# Altium PCB PCB2.PcbDoc (part 2 of 3)
Units mil, origin at the board's own origin, x right, y up, seen from the top; angles counter-clockwise.
Board outline 15748.03 x 10775.59 mil, 4 copper layers (Top Layer, Y1, S2, Bottom Layer), stack 33.217 mil thick; 703 components, 696 nets, 1756 pads, 488 vias.
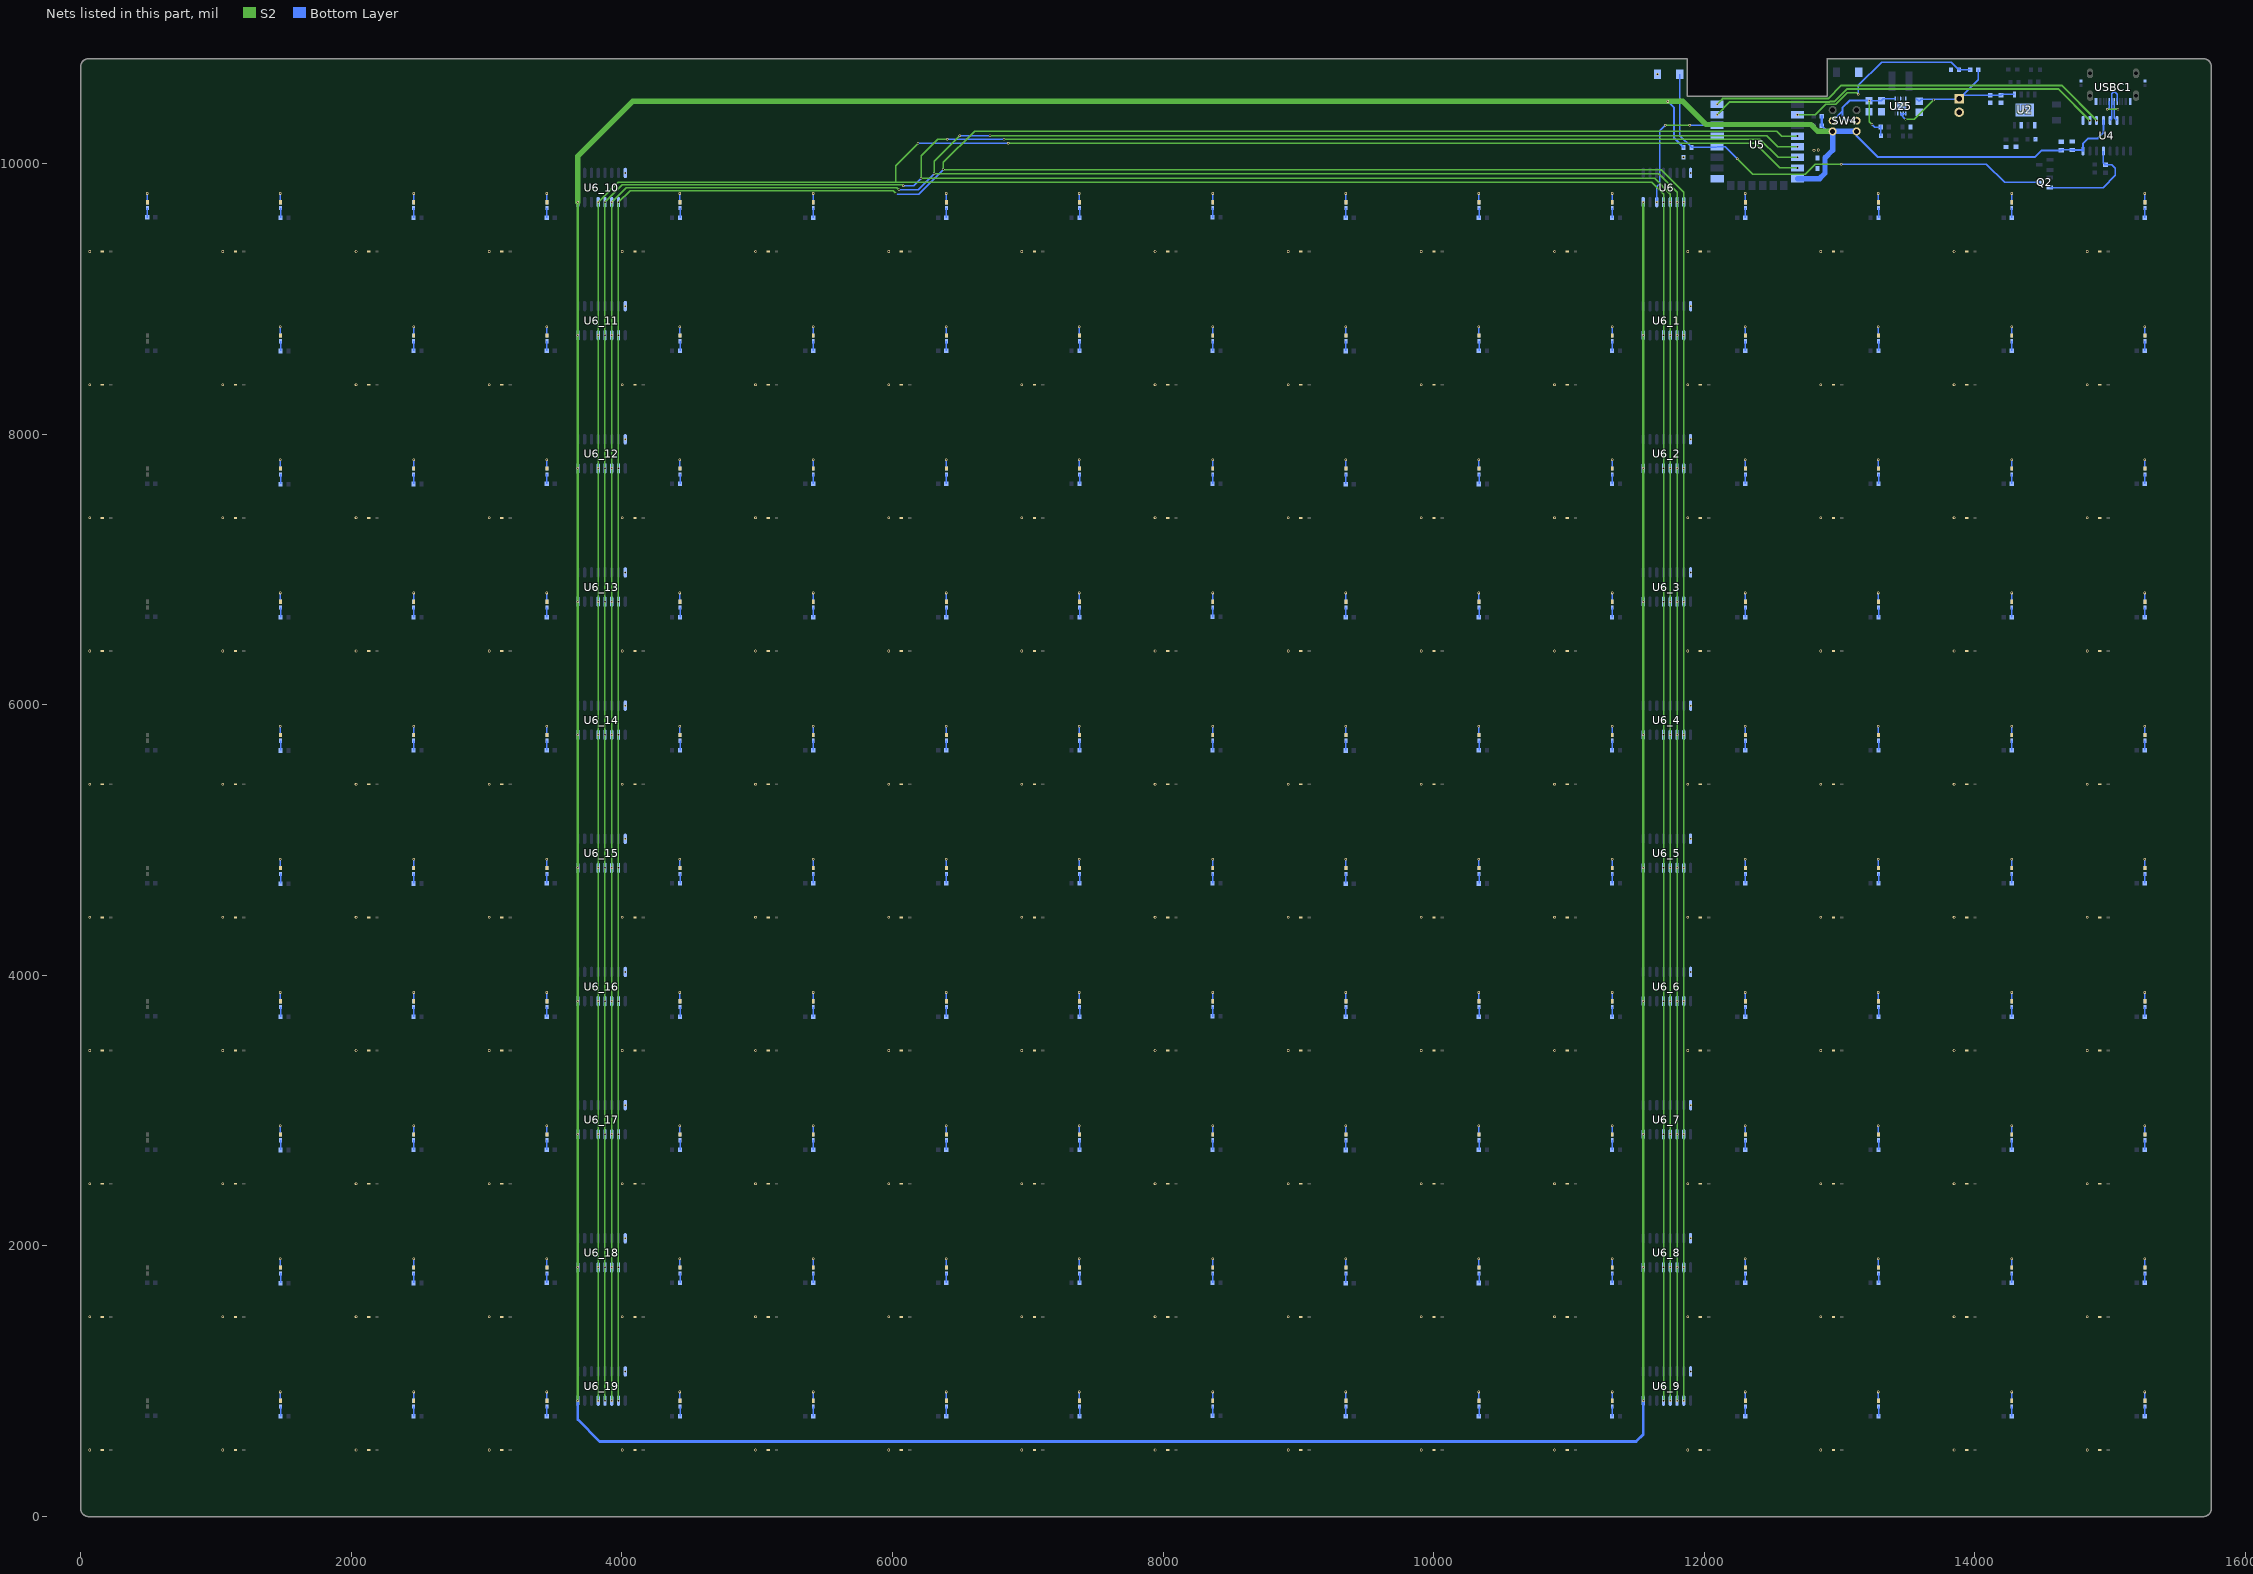
[diagram p4: the nets of this part, all layers, seen from the top]

## Footprints (in the part's own frame and the unit in brackets; to place one, negate y for a bottom-side part, rotate by r counter-clockwise, add the part's x,y. Pads: shape width x height; smd on the part's side, far side on the other; paste and mask are expansions set on the pad) (continued)
QFN10 [mil]
  oval 30.91x11.03 smd mask+4: 1(-57.41,39.4) 2(-57.41,19.7) 3(-57.41,0) 4(-57.41,-19.7) 5(-57.41,-39.4) 6(53.41,-39.4) 7(53.41,-19.7) 8(53.41,0) 9(53.41,19.7) 10(53.41,39.4)
  rect 57.1x88.6 smd mask+4: 11(-2,0)
  silkscreen extent -86,-62 60,62
R0402 [mm]
  rect 0.566x0.54 smd mask+0.051: 1(-0.433,0) 2(0.433,0)
  silkscreen extent -0.94,-0.5 0.94,0.5
R0603 [mil]
  rect 31.75x34.02 smd mask+2: 1(-29.66,0) 2(29.66,0)
  silkscreen extent -55,-26 55,26
R1206 [mil]
  rect 47.5x67 smd mask+2: 1(-58.2,0) 2(58.2,0)
  silkscreen extent -91,-43 91,43
SC-79_L1.2-W0.8-LS1.6-RD [mm]
  rect 0.63x0.36 smd: 1(-0.785,0) 2(0.785,0)
  silkscreen extent -0.9,-0.55 0.68,0.55
SOIC-16_L9.9-W3.9-P1.27-LS6.0-BL [mil]
  oval 23.7x77.6 smd mask+2: 1(-175,-107.7) 2(-125,-107.7) 3(-75,-107.7) 4(-25,-107.7) 5(25,-107.7) 6(75,-107.7) 7(125,-107.7) 8(175,-107.7) 9(175,107.7) 10(125,107.7) 11(75,107.7) 12(25,107.7) 13(-25,107.7) 14(-75,107.7) 15(-125,107.7) 16(-175,107.7)
  silkscreen extent -211,-111 198,60
SOP-16_L10.0-W3.9-P1.27-LS6.0-BL [mm]
  oval 0.56x1.745 smd mask+0.051: 1(-4.445,-2.872) 2(-3.175,-2.872) 3(-1.905,-2.872) 4(-0.635,-2.872) 5(0.635,-2.872) 6(1.905,-2.872) 7(3.175,-2.872) 8(4.445,-2.872) 9(4.445,2.872) 10(3.175,2.872) 11(1.905,2.872) 12(0.635,2.872) 13(-0.635,2.872) 14(-1.905,2.872) 15(-3.175,2.872) 16(-4.445,2.872)
  silkscreen extent -5.33,-3.02 5.08,1.77
SOT-23-3_L2.9-W1.3-P1.90-LS2.4-BR [mm]
  rect 1.25x0.7 smd mask+0.051: 1(1,-0.95) 2(1,0.95) 3(-1,0)
  silkscreen extent -0.73,-1.53 0.73,1.53
SW-TH_6P-L5.8-W5.8-P2.00-LS4.5-BL [mm]
  round 1.5 hole 0.9 mask+0.05: 1(-2,-2.25) 2(0,-2.25) 3(2,-2.25) 4(-2,2.25) 5(0,2.25) 6(2,2.25)
  silkscreen extent -2.9,-2.9 2.9,2.9
USB-C-SMD_TYPE-C-USB-17 [mil]
  oval 47.2x70.9 hole 27.6 slot 55.1 at 90 deg mask+2: 0(-170.1,-103.7) 0(170.1,-103.7)
  oval 43.3x78.7 hole 27.6 slot 63 at 90 deg mask+2: 0(-170.1,61.6) 0(170.1,61.6)
  rect 19.7x51.2 smd mask+2: A1(-126,103.7) A4(-94.5,103.7) A9(94.5,103.7) A12(126,103.7)
  rect 11x51.2 smd mask+2: A5(-49.2,103.7) A6(-9.8,103.7) A7(9.8,103.7) A8(49.2,103.7) B5(68.9,103.7) B6(29.5,103.7) B7(-29.5,103.7) B8(-68.9,103.7)
  Keep-Out Layer board cut-out: -113.8,52.4 -120.22,50.93 -125.37,46.83 -128.23,40.89 -128.23,34.31 -125.37,28.37 -120.22,24.27 -113.8,22.8 -113.8,22.8 -107.38,24.27 -102.23,28.37 -99.37,34.31 -99.37,40.89 -102.23,46.83 -107.38,50.93 -113.8,52.4 -113.8,52.4
  Keep-Out Layer board cut-out: 113.8,52.4 107.38,50.93 102.23,46.83 99.37,40.89 99.37,34.31 102.23,28.37 107.38,24.27 113.8,22.8 113.8,22.8 120.22,24.27 125.37,28.37 128.23,34.31 128.23,40.89 125.37,46.83 120.22,50.93 113.8,52.4 113.8,52.4
  silkscreen extent -170,-205 170,69
WIFIM-SMD_ESP-12F-ESP8266MOD [mil]
  rect 55.1x98.4 smd mask+2: 1(-301.2,-297.3) 2(-222.5,-297.3) 3(-143.7,-297.3) 4(-65,-297.3) 5(13.8,-297.3) 6(92.5,-297.3) 7(171.2,-297.3) 8(250,-297.3) 9(250,297.2) 10(171.2,297.3) 11(92.5,297.3) 12(13.8,297.3) 13(-65,297.2) 14(-143.7,297.3) 15(-222.5,297.3) 16(-301.2,297.3)
  rect 66.9x55.1 smd mask+2: 17(301.2,-196.8) 18(301.1,-118.2) 19(301.2,-39.5) 20(301.2,39.3) 21(301.2,118) 22(301.2,196.7)
  silkscreen extent -636,-351 309,315

## Via types
v1: diameter 19.68, hole 11.81, Top Layer to Bottom Layer, tented both sides, 335 vias
v2: diameter 17.72, hole 11.81, Top Layer to Bottom Layer, tented both sides, 153 vias

## Nets (pads, with @x,y where several pads share a name; then routed paths per layer and width w, separated by ;. In a path a pad name is that pad's centre, name@x,y a point inside that pad or via, vN(x,y) a via of type N, cw(c..) or ccw(c..) an arc to the next point about the centre after c; other vN are vias at no path point)
3V3: C1.2 C3.2 R1.2 R2.2 SW4.2 SW4.5 U25.1 | length 1038.5
  S2 w10: v2(13218.7,10464.65) 13218.7,10309.9 v2(13239.7,10288.9)
  Bottom Layer w10: v2(13218.7,10464.65) 13219,10464.35 C1.2@13309.9,10464.35 13324.75,10479.2 U25.1@13411.1,10479.2 ; v2(13239.7,10288.9) 13259.98,10268.62 13306.06,10268.62 R2.2@13306.06,10203.32 ; R1.2@13305.06,10269.62 R1.2@13305.06,10282.36
  Bottom Layer w15: SW4.5@12948.84,10315.7 13023.1,10389.96 ; SW4.2@13126,10315.7 13057.7,10315.7 13023.1,10350.3 13023.1,10389.96 ; v2(13218.7,10464.65) 13073.75,10464.65 13023.1,10414 13023.1,10389.96
BAT+: C5.2 C6.2 C9.2 H5.1 R15.1 U2.5 U25.5 U25.6 U25.7 U25.8 | length 1405.5
  S2 w10: v2(13487.3,10325) 13550.7,10325 v2(13694.8,10469.1)
  Bottom Layer w10: v2(13487.3,10325) 13450.5,10361.8 U25.8@13450.5,10368.38 U25.7@13470.2,10368.38 U25.6@13489.9,10368.38 ; C5.2@13568.65,10479.2 C5.2@13588.7,10459.15 13605.45,10475.9 13884.3,10475.9 13882.7,10474.3 H5.1@13896.9,10474.3 ; R15.1@14025.46,10691.7 14025.46,10619.46 H5.1@13884.3,10478.3 13910.46,10504.46 C6.2@14114.4,10504.46 ; C6.2@14115.1,10503.76 C9.2@14192.9,10503.76 14199.04,10509.9 U2.5@14292.7,10509.9
D+: U4.5 USBC1.A6 USBC1.B6 | length 306.9
  Bottom Layer w10: U4.5@15000,10317.59 15011.7,10329.29 USBC1.A6@15011.7,10459.2 15011.7,10516.8 15021.9,10527 15036.6,10527 15051,10512.6 USBC1.B6@15051,10459.2
D-: U4.6 USBC1.A7 USBC1.B7 | length 317.4
  S2 w10: v2(14979.5,10400.8) v2@15057.1,10400.8
  Bottom Layer w10: v2(14979.5,10400.8) 14992,10413.3 USBC1.B7@14992,10459.2 ; 15030.8,10401.4 v2(15057.7,10401.4) ; USBC1.A7@15031.3,10459.2 15031.3,10336.29 U4.6@15050,10317.59
DTR#: Q2.2 R8.1 U4.13 | length 778.7
  Bottom Layer w10: Q2.2@14554.67,9822.1 14948.6,9822.1 15039.5,9913 15039.5,9963.3 15012.24,9990.56 R8.1@14965.9,9990.56 ; U4.13@14950,10091.41 14950,10006.46 R8.1@14965.9,9990.56 ; R8.1@14954.96,9990.56 R8.1@14965.9,9990.56 ; R8.1@14965.9,9987.9 R8.1@14965.9,9990.56
ESP_AD: R15.2 R16.1 U5.2 | length 1515.2
  S2 w10: v1(12689.4,10360.1) 12821.2,10360.1 12897.4,10436.3 12971.3,10436.3 13057.4,10522.4 13126.6,10522.4 v1(13137.6,10511.4)
  Bottom Layer w10: v1(13137.6,10511.4) 13137.6,10576.1 13310.6,10749.1 13826.76,10749.1 R16.1@13882.36,10693.5 13884.16,10691.7 R15.2@13966.14,10691.7
  Bottom Layer w15: R16.1@13882.36,10693.5 R16.1@13882.36,10700.04
ESP_IO0: Q2.3 R14.2 SW1.1 U5.12 | length 3320.9
  S2 w10: v1(12244.1,10034.3) 12358.4,9920 12746,9920 12820.6,9994.6 v1(13011.6,9994.6)
  Bottom Layer w10: SW1.1@11818.49,10659.1 11818.49,10205.67 R14.2@11906.26,10117.9 12088.9,10117.9 U5.12@12094.8,10123.8 12154.6,10123.8 v1(12244.1,10034.3) ; v1(13011.6,9994.6) 14085,9994.6 14220.1,9859.5 Q2.3@14475.93,9859.5
ESP_IO4: U5.13
ESP_IO5: U5.14 U6.14 | length 975.1
  S2 w10: v2(11713,10281) 11713.3,10281.3 v2(11893.3,10281.3)
  Bottom Layer w10: v2(11649,9714.3) 11649,9827 11672,9850 11672,10240 v2(11713,10281) ; v2(11893.3,10281.3) U5.14@12094.8,10281.3
ESP_IO12: U5.6 U6.12 U6_1.12 U6_2.12 U6_3.12 U6_4.12 U6_5.12 U6_6.12 U6_7.12 U6_8.12 U6_9.12 U6_10.12 U6_11.12 U6_12.12 U6_13.12 U6_14.12 U6_15.12 U6_16.12 U6_17.12 U6_18.12 U6_19.12 | length 32579.5
  S2 w10: v2(3874.98,856.03) v2(3874.98,9714.3) 4002.68,9842 6073,9842 v2(6079,9836) ; v2(6406,10180) 6333,10180 6211,10058 v2(6211,9890) 11633,9890 11749,9774 v2(11749,9714.3) v2(11749,856.03) ; v2(6824,10180) 12411.3,10180 ; 12445,10146.3 12411.3,10180 ; v2(12689.4,10045.1) 12546.2,10045.1 12411.3,10180
  Bottom Layer w10: v2(6079,9836) 6157,9836 v2(6211,9890) v2@6211,9887 ; v2(6406,10180) v2(6824,10180)
  other v2: 3874.98,1840.28 11749,1840.28 3874.98,2824.54 11749,2824.54 3874.98,3808.79 11749,3808.79 3874.98,4793.04 11749,4793.04 3874.98,5777.29 11749,5777.29 3874.98,6761.54 11749,6761.54 3874.98,7745.8 11749,7745.8 3874.98,8730.05 11749,8730.05
ESP_IO13: U5.7 U6.13 U6_1.13 U6_2.13 U6_3.13 U6_4.13 U6_5.13 U6_6.13 U6_7.13 U6_8.13 U6_9.13 U6_10.13 U6_11.13 U6_12.13 U6_13.13 U6_14.13 U6_15.13 U6_16.13 U6_17.13 U6_18.13 U6_19.13 | length 32677
  S2 w10: v2(3824.98,856.03) v2(3824.98,9714.3) 3971.68,9861 11611,9861 11699,9773 v2(11699,9714.3) v2(11699,856.03) ; 6025,9861 6025,9984 v2(6189,10148) ; v2(6855,10148) 12377,10148 12558.6,9966.4 v2(12689.4,9966.4)
  Bottom Layer w10: v2(6189,10148) v2(6855,10148)
  other v2: 3824.98,1840.28 11699,1840.28 3824.98,2824.54 11699,2824.54 3824.98,3808.79 11699,3808.79 3824.98,4793.04 11699,4793.04 3824.98,5777.29 11699,5777.29 3824.98,6761.54 11699,6761.54 3824.98,7745.8 11699,7745.8 3824.98,8730.05 11699,8730.05
ESP_IO14: U5.5 U6.11 U6_1.11 U6_2.11 U6_3.11 U6_4.11 U6_5.11 U6_6.11 U6_7.11 U6_8.11 U6_9.11 U6_10.11 U6_11.11 U6_12.11 U6_13.11 U6_14.11 U6_15.11 U6_16.11 U6_17.11 U6_18.11 U6_19.11 | length 32442.4
  S2 w10: v2(3924.98,856.03) v2(3924.98,9714.3) 4030.68,9820 6033,9820 v2(6048,9805) ; v2(6496,10205) 6307,10016 v2(6307,9923) 11662,9923 11799,9786 v2(11799,9714.3) v2(11799,856.03) ; v2@6721,10206 12461.8,10206 ; 12487.8,10180 12461.8,10206 ; v2(12689.4,10123.8) 12544,10123.8 12461.8,10206
  Bottom Layer w10: v2(6048,9805) 6189,9805 v2(6307,9923) ; v2(6496,10205) v2(6721,10205)
  other v2: 3924.98,1840.28 11799,1840.28 3924.98,2824.54 11799,2824.54 3924.98,3808.79 11799,3808.79 3924.98,4793.04 11799,4793.04 3924.98,5777.29 11799,5777.29 3924.98,6761.54 11799,6761.54 3924.98,7745.8 11799,7745.8 3924.98,8730.05 11799,8730.05
ESP_IO16: U5.4 U6.10 U6_1.10 U6_2.10 U6_3.10 U6_4.10 U6_5.10 U6_6.10 U6_7.10 U6_8.10 U6_9.10 U6_10.10 U6_11.10 U6_12.10 U6_13.10 U6_14.10 U6_15.10 U6_16.10 U6_17.10 U6_18.10 U6_19.10 | length 32333.6
  S2 w10: v2(3974.98,856.03) v2(3974.98,9714.3) 4060.68,9800 6004,9800 6026,9778 v2(6026,9774) ; v2(11849,856.03) v2(11849,8730.05) v2(11849,9714.3) 11849,9787 11681,9955 v2(6376,9955) 6376,10008 6607,10239 12536,10239 12572.4,10202.6 v2(12689.4,10202.6)
  Bottom Layer w10: v2(6026,9774) 6195,9774 v2(6376,9955)
  other v2: 3974.98,1840.28 11849,1840.28 3974.98,2824.54 11849,2824.54 3974.98,3808.79 11849,3808.79 3974.98,4793.04 11849,4793.04 3974.98,5777.29 11849,5777.29 3974.98,6761.54 11849,6761.54 3974.98,7745.8 11849,7745.8 3974.98,8730.05
ESP_RXD: U4.2 U5.15 | length 2931.6
  S2 w15: v2(12094.8,10360.1) 12189.25,10454.55 12926.56,10454.55 12929.01,10457 12960.9,10457 13055.7,10551.8 14615.79,10551.8 v2(14850,10317.59)
ESP_TXD: U4.3 U5.16 | length 2969.7
  S2 w15: v2(12094.8,10438.8) 12135.55,10479.55 12916.2,10479.55 13013.45,10576.8 14640.79,10576.8 v2(14900,10317.59)
GND: C1.1 C3.1 C4.1 C5.1 C6.1 C7.1 C8.2 C9.1 C12.1 C13.1 C14.1 D1.1 D1_1.1 D1_2.1 D1_3.1 D1_4.1 D1_5.1 D1_6.1 D1_7.1 D1_8.1 D1_9.1 D1_10.1 D1_11.1 D1_12.1 D1_13.1 D1_14.1 D1_15.1 D2.1 D2_1.1 D2_2.1 D2_3.1 D2_4.1 D2_5.1 D2_6.1 D2_7.1 D2_8.1 D2_9.1 D2_10.1 D2_11.1 D2_12.1 D2_13.1 D2_14.1 D2_15.1 D3.1 D3_1.1 D3_2.1 D3_3.1 D3_4.1 D3_5.1 D3_6.1 D3_7.1 D3_8.1 D3_9.1 D3_10.1 D3_11.1 D3_12.1 D3_13.1 D3_14.1 D3_15.1 D4.1 D4_1.1 D4_2.1 D4_3.1 D4_4.1 D4_5.1 D4_6.1 D4_7.1 D4_8.1 D4_9.1 D4_10.1 D4_11.1 D4_12.1 D4_13.1 D4_14.1 D4_15.1 D5.1 D5_1.1 D5_2.1 D5_3.1 D5_4.1 D5_5.1 D5_6.1 D5_7.1 D5_8.1 D5_9.1 D5_10.1 D5_11.1 D5_12.1 D5_13.1 D5_14.1 D5_15.1 D6.1 D6_1.1 D6_2.1 D6_3.1 D6_4.1 D6_5.1 D6_6.1 D6_7.1 D6_8.1 D6_9.1 D6_10.1 D6_11.1 D6_12.1 D6_13.1 D6_14.1 D6_15.1 D7.1 D7_1.1 D7_2.1 D7_3.1 D7_4.1 D7_5.1 D7_6.1 D7_7.1 D7_8.1 D7_9.1 D7_10.1 D7_11.1 D7_12.1 D7_13.1 D7_14.1 D7_15.1 D8.1 D8_1.1 D8_2.1 D8_3.1 D8_4.1 D8_5.1 D8_6.1 D8_7.1 D8_8.1 D8_9.1 D8_10.1 D8_11.1 D8_12.1 D8_13.1 D8_14.1 D8_15.1 D9.1 D9_1.1 D9_2.1 D9_3.1 D9_4.1 D9_5.1 D9_6.1 D9_7.1 D9_8.1 D9_9.1 D9_10.1 D9_11.1 D9_12.1 D9_13.1 D9_14.1 D9_15.1 D10.1 D10_1.1 D10_2.1 D10_3.1 D10_4.1 D10_5.1 D10_6.1 D10_7.1 D10_8.1 D10_9.1 D10_10.1 D10_11.1 D10_12.1 D10_13.1 D10_14.1 D10_15.1 H5.2 R3.1 R7.1 R9.1 R10.2 R13.1 R16.2 SW1.2 SW2.2 U2.1 U2.3 U2.9 U4.1 U5.9 U6.8 U6_1.8 U6_2.8 U6_3.8 U6_4.8 U6_5.8 U6_6.8 U6_7.8 U6_8.8 U6_9.8 U6_10.8 U6_11.8 U6_12.8 U6_13.8 U6_14.8 U6_15.8 U6_16.8 U6_17.8 U6_18.8 U6_19.8 U25.3 U25.9 U25.11 USBC1.A1 USBC1.A12 | length 7.2
  Bottom Layer w10: R7.1@14442.7,10182.56 R7.1@14447.76,10177.5
  other v1: 66.77,490.97 1051.02,490.97 2035.28,490.97 3019.53,490.97 4003.78,490.97 4988.03,490.97 5972.28,490.97 6956.54,490.97 7940.79,490.97 8925.04,490.97 9909.29,490.97 10893.54,490.97 11877.8,490.97 12862.05,490.97 13846.3,490.97 14830.55,490.97 66.77,1475.22 1051.02,1475.22 2035.28,1475.22 3019.53,1475.22 4003.78,1475.22 4988.03,1475.22 5972.28,1475.22 6956.54,1475.22 7940.79,1475.22 8925.04,1475.22 9909.29,1475.22 10893.54,1475.22 11877.8,1475.22 12862.05,1475.22 13846.3,1475.22 14830.55,1475.22 66.77,2459.47 1051.02,2459.47 2035.28,2459.47 3019.53,2459.47 4003.78,2459.47 4988.03,2459.47 5972.28,2459.47 6956.54,2459.47 7940.79,2459.47 8925.04,2459.47 9909.29,2459.47 10893.54,2459.47 11877.8,2459.47 12862.05,2459.47 13846.3,2459.47 14830.55,2459.47 66.77,3443.72 1051.02,3443.72 2035.28,3443.72 3019.53,3443.72 4003.78,3443.72 4988.03,3443.72 5972.28,3443.72 6956.54,3443.72 7940.79,3443.72 8925.04,3443.72 9909.29,3443.72 10893.54,3443.72 11877.8,3443.72 12862.05,3443.72 13846.3,3443.72 14830.55,3443.72 66.77,4427.98 1051.02,4427.98 2035.28,4427.98 3019.53,4427.98 4003.78,4427.98 4988.03,4427.98 5972.28,4427.98 6956.54,4427.98 7940.79,4427.98 8925.04,4427.98 9909.29,4427.98 10893.54,4427.98 11877.8,4427.98 12862.05,4427.98 13846.3,4427.98 14830.55,4427.98 66.77,5412.23 1051.02,5412.23 2035.28,5412.23 3019.53,5412.23 4003.78,5412.23 4988.03,5412.23 5972.28,5412.23 6956.54,5412.23 7940.79,5412.23 8925.04,5412.23 9909.29,5412.23 10893.54,5412.23 11877.8,5412.23 12862.05,5412.23 13846.3,5412.23 14830.55,5412.23 66.77,6396.48 1051.02,6396.48 2035.28,6396.48 3019.53,6396.48 4003.78,6396.48 4988.03,6396.48 5972.28,6396.48 6956.54,6396.48 7940.79,6396.48 8925.04,6396.48 9909.29,6396.48 10893.54,6396.48 11877.8,6396.48 12862.05,6396.48 13846.3,6396.48 14830.55,6396.48 66.77,7380.73 1051.02,7380.73 2035.28,7380.73 3019.53,7380.73 4003.78,7380.73 4988.03,7380.73 5972.28,7380.73 6956.54,7380.73 7940.79,7380.73 8925.04,7380.73 9909.29,7380.73 10893.54,7380.73 11877.8,7380.73 12862.05,7380.73 13846.3,7380.73 14830.55,7380.73 66.77,8364.98 1051.02,8364.98 2035.28,8364.98 3019.53,8364.98 4003.78,8364.98 4988.03,8364.98 5972.28,8364.98 6956.54,8364.98 7940.79,8364.98 8925.04,8364.98 9909.29,8364.98 10893.54,8364.98 11877.8,8364.98 12862.05,8364.98 13846.3,8364.98 14830.55,8364.98 66.77,9349.24 1051.02,9349.24 2035.28,9349.24 3019.53,9349.24 4003.78,9349.24 4988.03,9349.24 5972.28,9349.24 6956.54,9349.24 7940.79,9349.24 8925.04,9349.24 9909.29,9349.24 10893.54,9349.24 11877.8,9349.24 12862.05,9349.24 13846.3,9349.24 14830.55,9349.24 11846.64,10046.4 12811.2,10098.7 12841.9,10099.2 14367.7,10395.4 11654.71,10659.1
  other v2: 4024.98,1071.43 11899,1071.43 4024.98,2055.68 11899,2055.68 4024.98,3039.94 11899,3039.94 4024.98,4024.19 11899,4024.19 4024.98,5008.44 11899,5008.44 4024.98,5992.69 11899,5992.69 4024.98,6976.94 11899,6976.94 4024.98,7961.2 11899,7961.2 4024.98,8945.45 11899,8945.45 4024.98,9929.7 11899,9929.7
MCU_3V3: C7.2 C8.1 C12.2 C13.2 R11.1 R12.1 R14.1 SW4.3 SW4.6 U4.4 U4.16 U5.8 U6.16 U6_1.16 U6_2.16 U6_3.16 U6_4.16 U6_5.16 U6_6.16 U6_7.16 U6_8.16 U6_9.16 U6_10.16 U6_11.16 U6_12.16 U6_13.16 U6_14.16 U6_15.16 U6_16.16 U6_17.16 U6_18.16 U6_19.16 | length 39358.8
  S2 w19.68: v2(3674.98,856.03) v2(3674.98,9714.3) ; v2(11549,856.03) v2(11549,9714.3)
  S2 w39.37: v2(3674.98,9714.3) 3674.98,10054.98 4078.6,10458.6 11843.1,10458.6 12013.4,10288.3 12787.8,10288.3 12839.14,10236.96 SW4.6@12948.84,10236.96
  Bottom Layer w10: C8.1@14641.1,10099.7 C7.2@14719.4,10099.7 C7.2@14718,10101.1 ; U4.16@14791.71,10099.7 U4.16@14800,10091.41
  Bottom Layer w15: v1(11729.7,10458.4) 11776.9,10411.2 11776.9,10187.94 R14.1@11846.94,10117.9 ; R11.1@12868.46,10349.7 R12.1@12868.46,10279.9 ; R12.1@12869.06,10279.3 R12.1@12868.46,10279.9 ; SW4.6@12948.84,10236.96 12911.4,10236.96 R12.1@12868.46,10279.9 ; SW4.3@13126,10236.96 13126,10202.9 13280.5,10048.4 14445,10048.4 14491.9,10095.3 14633.5,10095.3 C8.1@14639.3,10101.1 ; C7.2@14719.4,10099.7 U4.16@14791.71,10099.7 ; U4.16@14800,10091.41 14800,10147.9 14838.1,10186 14909.8,10186 14950,10226.2 U4.4@14950,10317.59
  Bottom Layer w19.68: v2(3674.98,856.03) 3674.98,715.02 3836,554 11497,554 11549,606 v2(11549,856.03)
  Bottom Layer w39.37: U5.8@12689.4,9887.6 12852.9,9887.6 12892.66,9927.36 C12.2@12892.66,10041.2 12948.84,10097.38 SW4.6@12948.84,10236.96 SW4.3@13126,10236.96
  other v2: 3674.98,1840.28 11549,1840.28 3674.98,2824.54 11549,2824.54 3674.98,3808.79 11549,3808.79 3674.98,4793.04 11549,4793.04 3674.98,5777.29 11549,5777.29 3674.98,6761.54 11549,6761.54 3674.98,7745.8 11549,7745.8 3674.98,8730.05 11549,8730.05
NewNet1: FL2_15.1 L2_15.2 | length 64.2
  Bottom Layer w10: L2_15.2@15255.75,8729.92 v1(15255.75,8794.12)
NewNet2: BR_1_1.1 L2_15.1 | length 70.3
  Bottom Layer w10: BR_1_1.1@15256.66,8615.75 L2_15.1@15256.62,8686.13
NewNet3: FL3_15.1 L3_15.2 | length 64.2
  Bottom Layer w10: L3_15.2@15255.75,7745.67 v1(15255.75,7809.87)
NewNet4: BR_1_2.1 L3_15.1 | length 70.3
  Bottom Layer w10: BR_1_2.1@15256.66,7631.5 L3_15.1@15256.66,7701.84
NewNet5: FL4_15.1 L4_15.2 | length 64.2
  Bottom Layer w10: L4_15.2@15255.75,6761.42 v1(15255.75,6825.61)
NewNet6: BR_1_3.1 L4_15.1 | length 70.3
  Bottom Layer w10: BR_1_3.1@15256.66,6647.24 L4_15.1@15256.62,6717.63
NewNet7: FL5_15.1 L5_15.2 | length 64.2
  Bottom Layer w10: L5_15.2@15255.75,5777.17 v1(15255.75,5841.36)
NewNet8: BR_1_4.1 L5_15.1 | length 70.3
  Bottom Layer w10: BR_1_4.1@15256.66,5662.99 L5_15.1@15256.66,5733.34
NewNet9: FL6_15.1 L6_15.2 | length 64.2
  Bottom Layer w10: L6_15.2@15255.75,4792.92 v1(15255.75,4857.11)
NewNet10: BR_1_5.1 L6_15.1 | length 70.3
  Bottom Layer w10: BR_1_5.1@15256.66,4678.74 L6_15.1@15256.62,4749.12
NewNet11: FL7_15.1 L7_15.2 | length 64.2
  Bottom Layer w10: L7_15.2@15255.75,3808.66 v1(15255.75,3872.86)
NewNet12: BR_1_6.1 L7_15.1 | length 70.3
  Bottom Layer w10: BR_1_6.1@15256.66,3694.49 L7_15.1@15256.66,3764.83
NewNet13: FL8_15.1 L8_15.2 | length 64.2
  Bottom Layer w10: L8_15.2@15255.75,2824.41 v1(15255.75,2888.61)
NewNet14: BR_1_7.1 L8_15.1 | length 70.3
  Bottom Layer w10: BR_1_7.1@15256.66,2710.24 L8_15.1@15256.62,2780.62
NewNet15: FL9_15.1 L9_15.2 | length 64.2
  Bottom Layer w10: L9_15.2@15255.75,1840.16 v1(15255.75,1904.35)
NewNet16: BR_1_8.1 L9_15.1 | length 70.3
  Bottom Layer w10: BR_1_8.1@15256.66,1725.98 L9_15.1@15256.66,1796.33
NewNet17: FL10_15.1 L10_15.2 | length 64.2
  Bottom Layer w10: L10_15.2@15255.75,855.91 v1(15255.75,920.1)
NewNet18: BR_1_9.1 L10_15.1 | length 70.3
  Bottom Layer w10: BR_1_9.1@15256.66,741.73 L10_15.1@15256.62,812.12
NewNet19: FL1_15.1 L1_15.2 | length 64.2
  Bottom Layer w10: L1_15.2@15255.75,9714.18 v1(15255.75,9778.37)
NewNet20: BR_1.1 L1_15.1 | length 70.3
  Bottom Layer w10: BR_1.1@15256.66,9600 L1_15.1@15256.66,9670.35
NewNet21: FL2_14.1 L2_14.2 | length 64.2
  Bottom Layer w10: L2_14.2@14271.5,8729.92 v1(14271.5,8794.12)
NewNet22: BR_2_1.1 L2_14.1 | length 70.3
  Bottom Layer w10: BR_2_1.1@14272.41,8615.75 L2_14.1@14272.37,8686.13
NewNet23: FL3_14.1 L3_14.2 | length 64.2
  Bottom Layer w10: L3_14.2@14271.5,7745.67 v1(14271.5,7809.87)
NewNet24: BR_2_2.1 L3_14.1 | length 70.3
  Bottom Layer w10: BR_2_2.1@14272.41,7631.5 L3_14.1@14272.41,7701.84
NewNet25: FL4_14.1 L4_14.2 | length 64.2
  Bottom Layer w10: L4_14.2@14271.5,6761.42 v1(14271.5,6825.61)
NewNet26: BR_2_3.1 L4_14.1 | length 70.3
  Bottom Layer w10: BR_2_3.1@14272.41,6647.24 L4_14.1@14272.37,6717.63
NewNet27: FL5_14.1 L5_14.2 | length 64.2
  Bottom Layer w10: L5_14.2@14271.5,5777.17 v1(14271.5,5841.36)
NewNet28: BR_2_4.1 L5_14.1 | length 70.3
  Bottom Layer w10: BR_2_4.1@14272.41,5662.99 L5_14.1@14272.41,5733.34
NewNet29: FL6_14.1 L6_14.2 | length 64.2
  Bottom Layer w10: L6_14.2@14271.5,4792.92 v1(14271.5,4857.11)
NewNet30: BR_2_5.1 L6_14.1 | length 70.3
  Bottom Layer w10: BR_2_5.1@14272.41,4678.74 L6_14.1@14272.37,4749.12
NewNet31: FL7_14.1 L7_14.2 | length 64.2
  Bottom Layer w10: L7_14.2@14271.5,3808.66 v1(14271.5,3872.86)
NewNet32: BR_2_6.1 L7_14.1 | length 70.3
  Bottom Layer w10: BR_2_6.1@14272.41,3694.49 L7_14.1@14272.41,3764.83
NewNet33: FL8_14.1 L8_14.2 | length 64.2
  Bottom Layer w10: L8_14.2@14271.5,2824.41 v1(14271.5,2888.61)
NewNet34: BR_2_7.1 L8_14.1 | length 70.3
  Bottom Layer w10: BR_2_7.1@14272.41,2710.24 L8_14.1@14272.37,2780.62
NewNet35: FL9_14.1 L9_14.2 | length 64.2
  Bottom Layer w10: L9_14.2@14271.5,1840.16 v1(14271.5,1904.35)
NewNet36: BR_2_8.1 L9_14.1 | length 70.3
  Bottom Layer w10: BR_2_8.1@14272.41,1725.98 L9_14.1@14272.41,1796.33
NewNet37: FL10_14.1 L10_14.2 | length 64.2
  Bottom Layer w10: L10_14.2@14271.5,855.91 v1(14271.5,920.1)
NewNet38: BR_2_9.1 L10_14.1 | length 70.3
  Bottom Layer w10: BR_2_9.1@14272.41,741.73 L10_14.1@14272.37,812.12
NewNet39: FL1_14.1 L1_14.2 | length 64.2
  Bottom Layer w10: L1_14.2@14271.5,9714.18 v1(14271.5,9778.37)
NewNet40: BR_2.1 L1_14.1 | length 70.3
  Bottom Layer w10: BR_2.1@14272.41,9600 L1_14.1@14272.41,9670.35